# Altium PCB CT310高端控制盒核心板电路V1.3.PcbDoc (part 4 of 10)
Units mil, origin at the board's own origin, x right, y up, seen from the top; angles counter-clockwise.
Board outline 3735.76 x 4625 mil, 2 copper layers (TOP, BOTTOM), stack 10.4 mil thick; 198 components, 362 nets, 1085 pads, 352 vias.
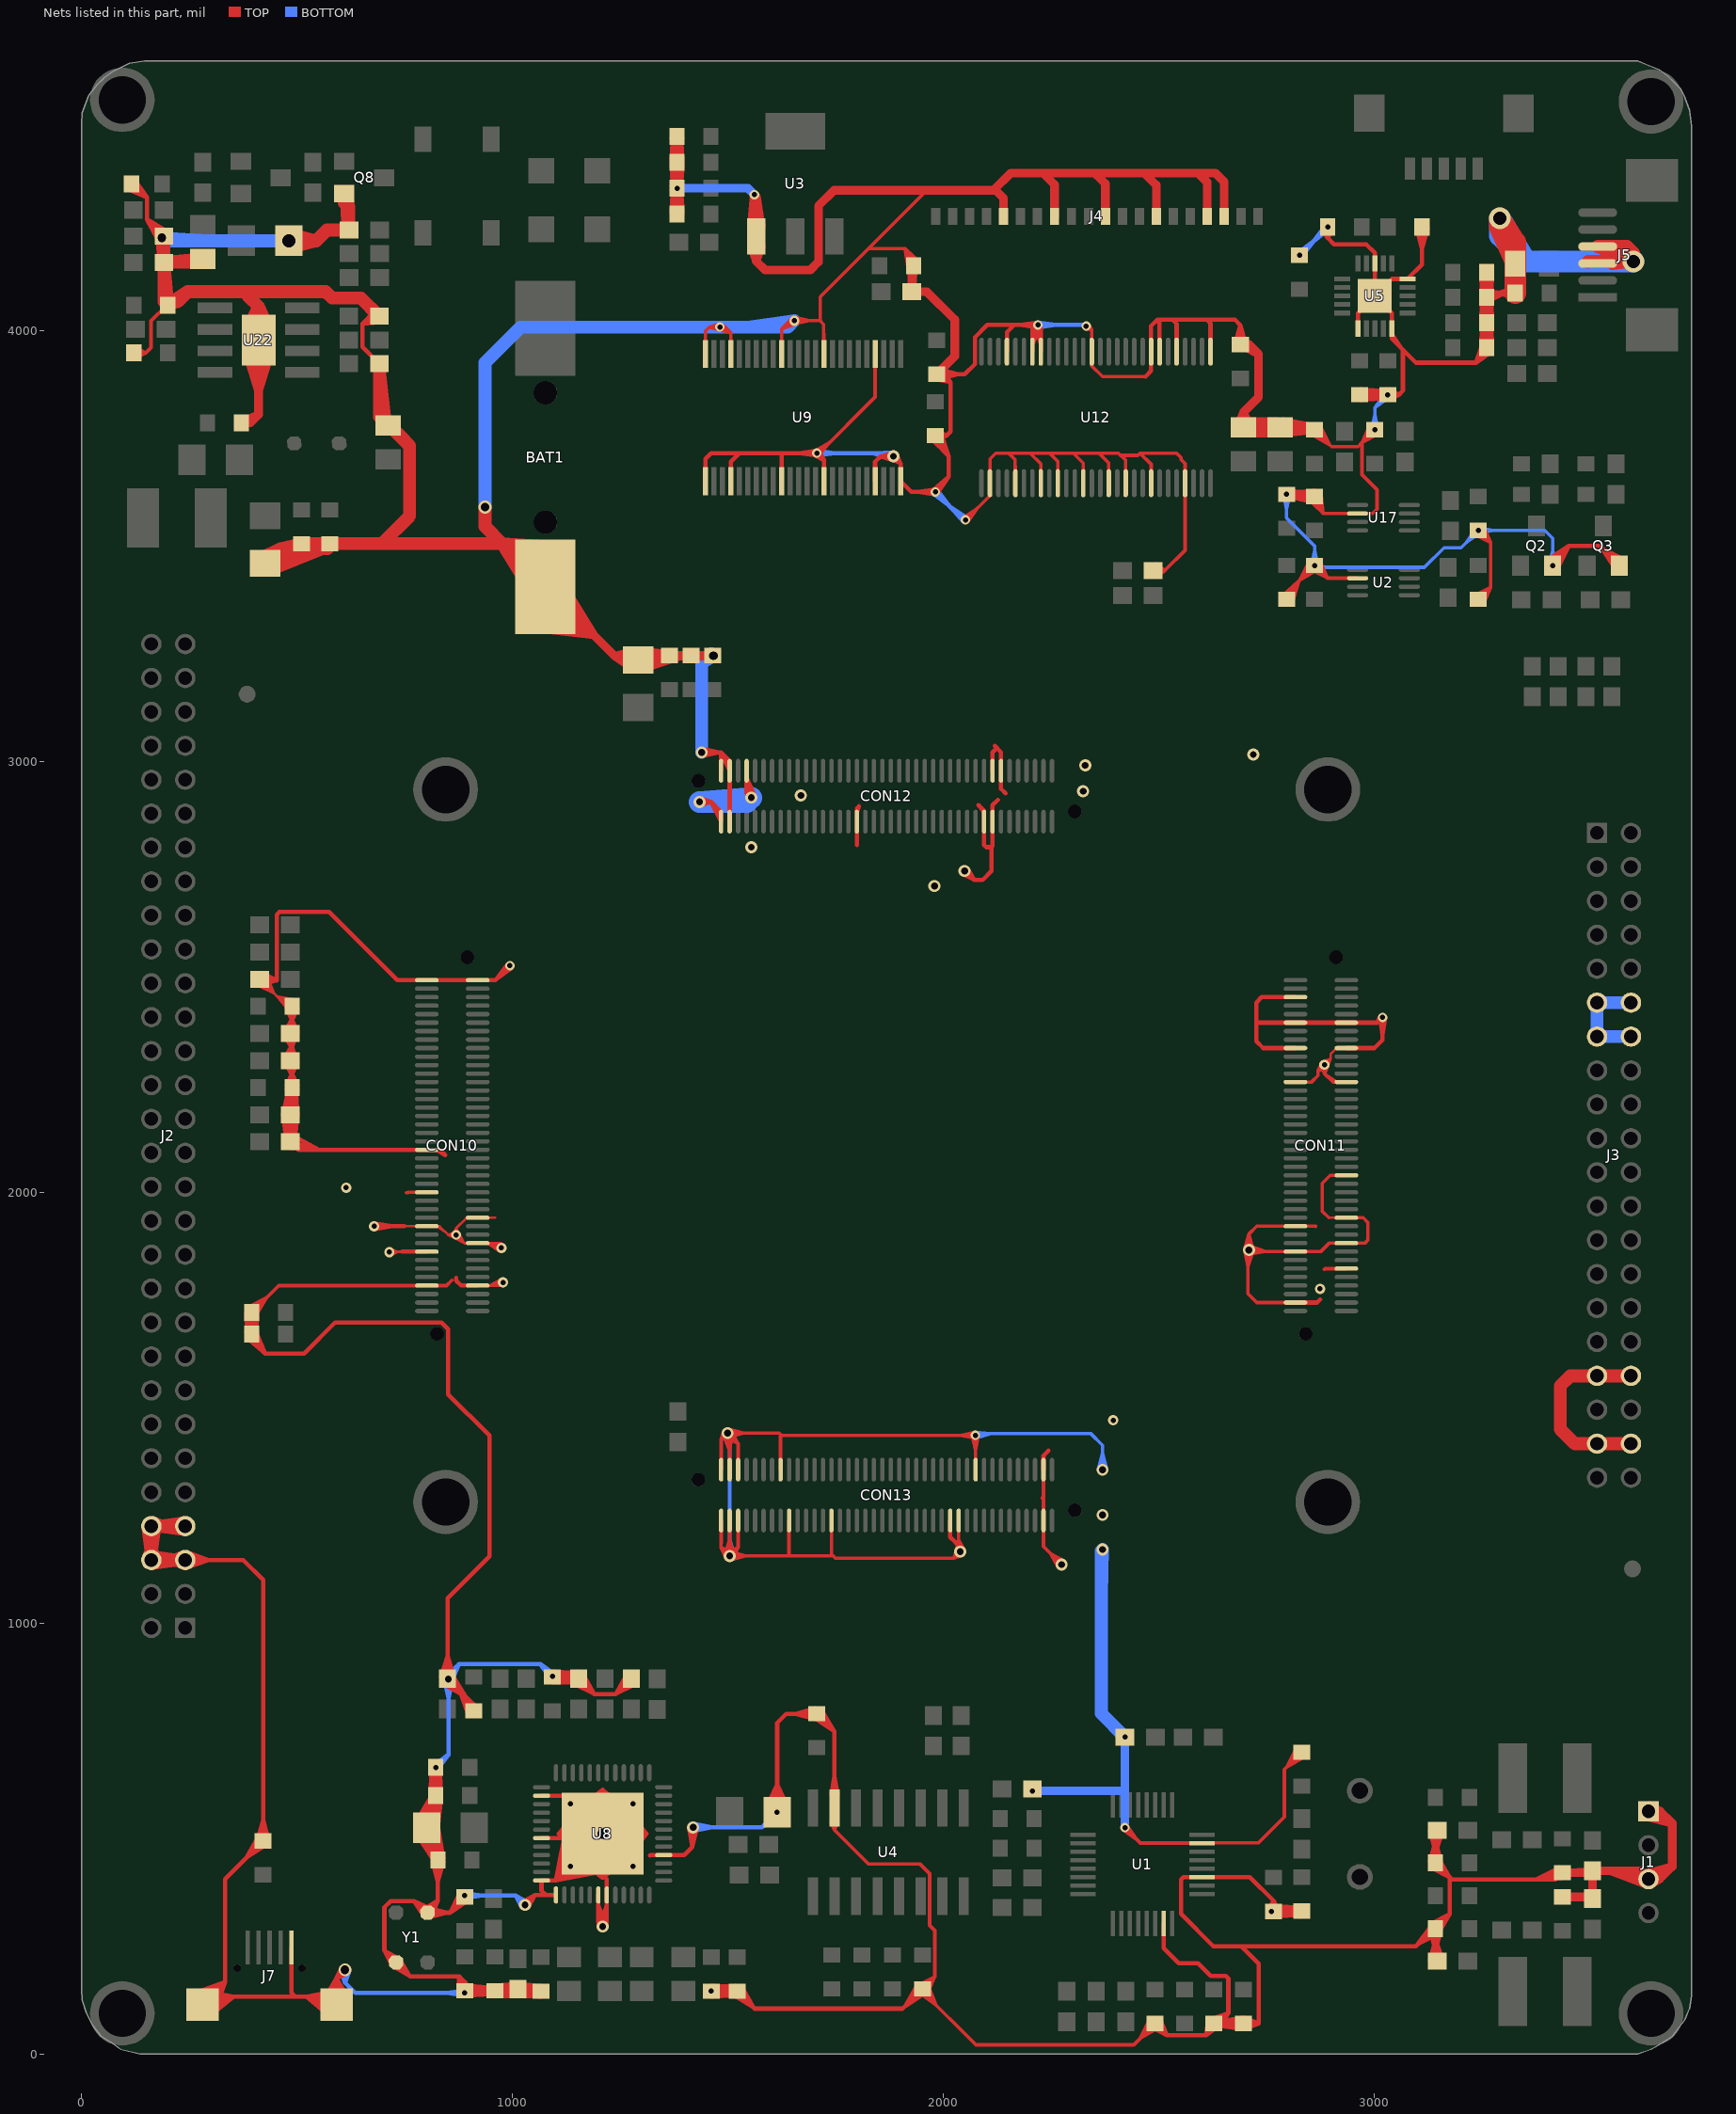
[diagram p4: the nets of this part, all layers, seen from the top]

## Via types
v1: diameter 22, hole 12, TOP to BOTTOM, tented both sides, 177 vias
v2: diameter 22, hole 12, TOP to BOTTOM, 89 vias
v3: diameter 28, hole 16, TOP to BOTTOM, 37 vias
v4: diameter 30, hole 20, TOP to BOTTOM, tented both sides, 26 vias
v5: diameter 24, hole 12, TOP to BOTTOM, 17 vias
v6: diameter 50, hole 30, TOP to BOTTOM, tented both sides, 5 vias
v7: diameter 40, hole 24, TOP to BOTTOM, 1 vias

## Nets (pads, with @x,y where several pads share a name; then routed paths per layer and width w, separated by ;. In a path a pad name is that pad's centre, name@x,y a point inside that pad or via, vN(x,y) a via of type N, cw(c..) or ccw(c..) an arc to the next point about the centre after c; other vN are vias at no path point) (continued)
GND: (continued)
  TOP w10: D3.2@108.78,4327.13 151.41,4308.97 ; D3.2@115.33,4338.03 151.41,4308.97 ; D3.2@123.69,4340 123.69,4336.69 151.41,4308.97 ; D3.2@124.59,4346.75 151.41,4308.97 ; J2.8@142.78,1225.38 150.53,1169.9 ; J2.8@142.84,1223.26 156.7,1170.84 ; J2.6@143.05,1149.35 161.39,1199.74 ; J2.8@143.05,1221.62 161.39,1171.24 ; J2.8@143.39,1220.08 166.08,1170.84 ; J2.8@143.98,1218.26 172.25,1169.9 ; J2.8@152.77,1224.92 156.7,1170.84 ; J2.6@152.8,1146.81 161.39,1199.74 ; J2.8@152.8,1224.16 161.39,1171.24 ; J2.8@152.83,1225.87 150.53,1169.9 ; J2.8@152.89,1223.43 166.08,1170.84 ; J2.8@153.09,1222.54 172.25,1169.9 ; J2.6@160.37,1137.56 216.35,1135.26 ; J2.6@160.37,1154.68 216.35,1156.98 ; J2.6@160.87,1127.5 216.35,1135.26 ; J2.6@160.87,1164.73 216.35,1156.98 ; J2.6@161.33,1137.5 215.4,1141.43 ; J2.6@161.33,1154.74 215.4,1150.81 ; J2.6@162.08,1137.52 215.01,1146.12 ; J2.6@162.08,1154.71 215.01,1146.12 ; J2.8@162.08,1216.26 215.01,1224.86 ; J2.8@162.08,1233.45 215.01,1224.86 ; J2.6@162.82,1137.61 215.4,1150.81 ; J2.6@162.82,1154.62 215.4,1141.43 ; J2.6@162.99,1127.56 215.4,1141.43 ; J2.6@162.99,1164.67 215.4,1150.81 ; J2.6@163.71,1137.81 216.35,1156.98 ; J2.6@163.71,1154.42 216.35,1135.26 ; J2.6@164.62,1127.78 215.01,1146.12 ; J2.6@164.62,1164.46 215.01,1146.12 ; J2.8@164.62,1206.52 215.01,1224.86 ; J2.8@164.62,1243.2 215.01,1224.86 ; J2.6@166.16,1128.12 215.4,1150.81 ; J2.6@166.16,1164.12 215.4,1141.43 ; J2.6@167.99,1128.7 216.35,1156.98 ; J2.6@167.99,1163.53 216.35,1135.26 ; J2.8@169.69,1222.54 150.53,1169.9 ; J2.8@169.89,1223.43 156.7,1170.84 ; J2.6@169.98,1146.81 161.39,1199.74 ; J2.8@169.98,1224.16 161.39,1171.24 ; J2.8@169.95,1225.87 172.25,1169.9 ; J2.8@170.01,1224.92 166.08,1170.84 ; R5.1@176.73,4210 151.41,4257.78 ; R5.1@177.39,4209.53 152.1,4257.37 ; R5.1@177.47,4209.41 153.21,4254.38 ; J2.8@178.8,1218.26 150.53,1169.9 ; J2.8@179.39,1220.08 156.7,1170.84 ; J2.6@179.73,1149.35 161.39,1199.74 ; J2.8@179.73,1221.62 161.39,1171.24 ; R5.1@179.85,4223.07 R5.1@197.83,4230.03 ; J2.8@179.94,1223.26 166.08,1170.84 ; J2.8@180,1225.38 172.25,1169.9 ; R5.1@188.65,4218.57 151.41,4257.78 ; R5.1@189.98,4219.22 151.41,4257.78 ; R5.1@192.81,4222.09 153.21,4254.38 ; R5.1@192.98,4221.92 152.1,4257.37 ; R5.1@194.91,4210.98 R5.1@197.83,4230.03 ; J2.7@233.53,1207.44 185.17,1235.72 ; J2.7@233.53,1242.27 185.17,1214 ; J2.7@235.36,1206.86 186.12,1229.55 ; J2.7@235.36,1242.86 186.12,1220.17 ; J2.5@236.9,1127.78 186.51,1146.12 ; J2.5@236.9,1164.46 186.51,1146.12 ; J2.7@236.9,1206.52 186.51,1224.86 ; J2.7@236.9,1243.2 186.51,1224.86 ; J2.7@237.81,1216.55 185.17,1235.72 ; J2.7@237.81,1233.16 185.17,1214 ; J2.7@238.53,1206.3 186.12,1220.17 ; J2.7@238.53,1243.41 186.12,1229.55 ; J2.7@238.7,1216.35 186.12,1229.55 ; J2.7@238.7,1233.36 186.12,1220.17 ; J2.5@239.44,1137.52 186.51,1146.12 ; J2.5@239.44,1154.71 186.51,1146.12 ; J2.7@239.44,1216.26 186.51,1224.86 ; J2.7@239.44,1233.45 186.51,1224.86 ; J2.7@240.19,1216.24 186.12,1220.17 ; J2.7@240.19,1233.48 186.12,1229.55 ; J2.7@240.65,1206.24 185.17,1214 ; J2.7@240.65,1243.47 185.17,1235.72 ; J2.5@240.82,1137.52 293.75,1146.12 ; J2.5@240.82,1154.71 293.75,1146.12 ; J2.7@241.15,1216.3 185.17,1214 ; J2.7@241.15,1233.42 185.17,1235.72 ; J2.5@243.36,1127.78 293.75,1146.12 ; J2.5@243.36,1164.46 293.75,1146.12 ; J7.7@262.93,141.83 332.39,166.6 ; J7.7@267,132.51 332.39,166.6 ; J7.7@272.25,123.92 332.39,166.6 ; J7.7@278.06,136.74 352.97,132.83 ; J7.7@278.21,126.68 352.97,132.83 ; J7.7@279.28,146.84 352.97,132.83 ; J7.7@284.27,102.72 352.97,132.83 ; J7.7@288.92,93.79 352.97,132.83 ; J7.7@289.72,106.45 332.39,166.6 ; J7.7@294.79,85.49 352.97,132.83 ; J7.7@298.31,101.2 332.39,166.6 ; J7.7@307.63,97.13 332.39,166.6 ; C112.2@384.89,1659.99 425.76,1625 ; C112.2@394.24,1668.6 425.76,1625 ; C112.2@394.24,1670.57 394.24,1656.52 425.76,1625 ; C112.2@405.36,1674.78 425.76,1625 ; C89.1@408.16,496.06 420.76,542.09 C89.1@433.36,496.06 ; C89.1@408.6,501.97 381.83,455.44 ; R174.1@413.18,2494.14 415.69,2491.63 452.39,2491.63 ; R174.1@415.15,2494.14 452.39,2491.63 ; R174.1@417.06,2479.58 452.39,2491.63 ; C89.1@418.79,494.37 381.83,455.44 ; R174.1@419,2508.31 452.39,2491.63 ; C89.1@426.91,484.58 381.83,455.44 ; R129.1@467.4,2180.03 R128.1@472.95,2129.94 ; R129.1@467.41,2180.25 C88.2@477.26,2229.15 ; R128.1@469.52,2118.74 484.05,2166.26 R128.1@498.57,2118.74 ; R129.1@469.52,2177.33 484.05,2129.81 R129.1@498.57,2177.33 ; R129.1@469.52,2181.67 484.05,2229.18 R129.1@498.57,2181.67 ; R129.1@471.54,2181.97 C88.2@487.06,2229.18 ; R129.1@472.12,2174.76 R128.1@495.15,2129.94 ; R129.1@472.32,2184.79 C88.2@497.2,2228.87 ; C88.2@475.28,2239.82 R129.1@484.05,2192.51 ; R128.1@483.52,2102.1 550.1,2098.06 ; C88.2@484.05,2238.49 R129.1@484.05,2179.5 R128.1@484.05,2116.57 502.56,2098.06 CON10.39@800.66,2098.06 831.13,2098.06 ; R128.1@486.02,2116.57 550.1,2098.06 ; 486.94,177.28 J7.5@486.94,212.2 ; J7.5@486.94,246.65 486.94,141.65 495.76,132.83 ; C88.2@487.98,2240.46 R129.1@484.05,2192.51 ; R128.1@491.62,2130.14 550.1,2098.06 ; R129.1@495.98,2174.76 R128.1@472.95,2129.94 ; R129.1@496.33,2183.05 C88.2@477.26,2229.15 ; C88.2@500.41,2237.75 R129.1@484.05,2192.51 ; R129.1@500.58,2181.36 C88.2@487.06,2229.18 ; R129.1@500.66,2178.37 C88.2@497.2,2228.87 ; R129.1@500.69,2180.03 R128.1@495.15,2129.94 ; J7.6@560.03,123.05 591.27,175.51 ; J7.6@569.25,118.56 591.27,175.51 ; J7.6@576.32,85.7 520.82,132.83 ; J7.6@578.93,115.71 591.27,175.51 ; J7.6@582.35,93.9 520.82,132.83 ; J7.6@587.13,102.76 520.82,132.83 ; J7.6@592.27,146.83 520.82,132.83 ; J7.6@593.37,126.67 520.82,132.83 ; J7.6@593.53,136.74 520.82,132.83 ; v4@602.52,200.67 591.27,175.51 ; J7.6@603.61,115.71 591.27,175.51 ; v4(610.76,195) 591.27,175.51 ; J7.6@613.29,118.56 591.27,175.51 ; v4@616.43,186.76 591.27,175.51 ; J7.6@622.51,123.05 591.27,175.51 ; v5@679.15,1927.55 720.62,1920.88 ; v5@679.25,1913.6 720.62,1920.88 ; R135.2@680.21,4044.87 651.41,4015.65 ; R135.2@690.04,4032.85 668.61,4032.85 ; R133.2@690.62,3922.85 690.14,3922.85 651.41,3961.59 651.41,4015.65 ; R135.2@692.33,4018.64 651.41,4015.65 ; Y1.4@719.83,205.43 702.16,239.38 ; Y1.4@722.1,203.1 761.54,180 ; Y1.4@736.11,221.71 702.16,239.38 ; Y1.4@738.44,219.44 761.54,180 ; 743.16,2098.06 CON10.39@778.16,2098.06 ; 743.16,2491.75 CON10.79@778.16,2491.75 ; 748.92,1920.88 678.92,1920.88 v5(678.61,1920.57) 720.62,1920.88 ; C27.2@775.54,537.43 C26.2@809.02,595.06 ; C27.2@776.1,511.07 C31.2@813.79,453.68 ; C27.2@777.1,541.09 C26.2@821.39,598.03 ; C27.2@777.96,507.36 C31.2@826.39,452.84 ; C27.2@777.94,507.4 C31.2@826.39,452.57 ; C27.2@778.17,542.97 C26.2@826.39,595.2 ; CON10.15@778.16,1861.83 743.61,1861.83 CON10.15@800.66,1861.83 ; C27.2@779.61,545.05 C26.2@833.43,593.49 ; C27.2@780.73,503.58 C31.2@837.52,458.99 ; C27.2@784.66,533.02 C26.2@809.02,595.06 ; C27.2@784.95,515.98 C31.2@813.79,453.68 ; C27.2@785.49,535.46 C26.2@821.39,598.03 ; C27.2@786.06,536.66 C26.2@826.39,595.2 ; C27.2@786.88,538.03 C26.2@833.43,593.49 ; C27.2@787.52,511.07 C31.2@837.52,458.99 ; Y1.2@793.58,319.95 770.5,354.74 ; C27.2@794.24,530.07 C26.2@809.02,595.06 ; C27.2@794.33,519.52 C31.2@813.79,453.68 ; C27.2@794.51,531.08 C26.2@821.39,598.03 ; Y1.2@794.63,336.45 826.39,356.5 ; C27.2@794.7,531.56 C26.2@826.39,595.2 ; C27.2@794.99,532.14 C26.2@833.43,593.49 ; C27.2@795.21,517.5 C31.2@837.52,458.99 ; C27.2@800.64,525 C27.2@826.39,499.25 ; Y1.2@803.75,316.12 848.97,327.68 Y1.2@803.75,339.24 ; C27.2@806.37,524.13 C31.2@837.52,458.99 ; C27.2@806.56,526.26 C26.2@833.43,593.49 ; C27.2@806.8,526.86 C26.2@826.39,595.2 ; C27.2@806.94,527.35 C26.2@821.39,598.03 ; C27.2@807.07,522 C31.2@813.79,453.68 ; C27.2@807.12,528.44 C26.2@809.02,595.06 ; Y1.2@808.54,337.52 770.5,354.74 ; C26.2@808.7,601.2 C32.2@811.97,652.37 ; C26.2@808.82,603.9 C32.2@822.58,651.56 ; C26.2@809.03,604.94 C32.2@826.39,649.97 ; C26.2@809.45,606.34 C32.2@831.96,649.34 ; Y1.2@812.29,321.69 826.39,356.5 ; C31.2@813.79,446.34 826.39,400.31 ; C32.2@815.42,665.59 814.14,622.32 ; C32.2@815.42,665.64 C26.2@813.03,615.33 ; C32.2@815.48,663.98 825.41,624.14 ; C32.2@815.49,663.88 826.39,622.44 ; C32.2@815.51,666.18 810.17,624.19 ; C32.2@815.55,663.62 C26.2@831.11,611.02 ; C32.2@815.59,663.47 829.06,624.27 ; C32.2@815.65,663.26 830.5,624.61 ; C27.2@815.69,527.81 C31.2@837.52,458.99 ; C27.2@816.11,523.19 C26.2@833.43,593.49 ; C27.2@816.61,524.79 C26.2@826.39,595.2 ; C27.2@816.88,526.03 C26.2@821.39,598.03 ; C27.2@817.09,522.25 C31.2@813.79,453.68 ; C27.2@817.14,528.9 C26.2@809.02,595.06 ; C32.2@817.97,669.93 C32.2@809.02,660.08 ; C32.2@821.39,663.03 C26.2@826.39,614.7 ; C32.2@821.71,659.01 C32.2@834.1,662.67 ; C32.2@822.29,659.07 C32.2@809.02,660.08 ; CON10.79@823.16,2491.75 858.16,2491.75 ; C32.2@823.81,670.49 C32.2@834.1,662.67 ; C27.2@825.52,530.19 C31.2@837.52,458.99 ; C27.2@826.06,521.46 C26.2@833.43,593.49 ; C31.2@826.39,448.03 826.39,400.31 ; C31.2@826.39,451.97 C27.2@826.39,499.25 ; C27.2@826.39,525 826.39,660 v1(821.39,665) ; C27.2@826.69,524.11 C26.2@826.39,595.2 ; C27.2@826.99,526.11 C26.2@821.39,598.03 ; C27.2@827.07,530.9 C26.2@809.02,595.06 ; C32.2@827.05,663 810.17,624.19 ; C27.2@827.14,521.02 C31.2@813.79,453.68 ; C32.2@827.22,663.59 814.14,622.32 ; C32.2@827.24,663.65 C26.2@813.03,615.33 ; C32.2@827.32,665.89 830.5,624.61 ; C32.2@827.38,665.28 826.39,622.44 ; C32.2@827.35,665.68 829.06,624.27 ; C32.2@827.34,665.74 C26.2@831.11,611.02 ; C32.2@827.39,665.15 825.41,624.14 ; C26.2@833.5,605.84 C32.2@811.97,652.37 ; C26.2@834.06,600.85 C32.2@831.96,649.34 ; C26.2@834.04,603.3 C32.2@822.58,651.56 ; C26.2@834.1,597.67 C27.2@826.39,549.97 ; C26.2@834.1,602.33 C32.2@826.39,649.97 ; C31.2@838.99,446.34 826.39,400.31 ; C31.2@838.99,453.68 C27.2@826.39,499.25 ; R44.1@839.96,857.17 889.51,830.11 ; R44.1@841.77,870.4 848.61,922.66 ; R44.1@841.78,870.65 849.78,918.84 ; R44.1@844.76,863.29 887.23,831.35 ; R44.1@844.87,863.2 885.15,834.26 ; R44.1@844.89,863.18 885.27,834.35 ; R44.1@844.98,863.1 887.54,833.33 ; R44.1@845.98,862.38 R44.1@834.09,875.14 ; R44.1@848.61,869.04 889.51,830.11 ; R44.1@848.61,872.97 848.61,922.66 ; R44.1@851.11,878.99 R44.1@834.09,875.14 ; R44.1@857.64,875.8 887.54,833.33 ; R44.1@857.81,875.6 887.23,831.35 ; R44.1@859.7,871.01 849.78,918.84 ; R44.1@859.69,871.13 848.61,922.66 ; R44.1@860.04,878.27 889.51,830.11 ; 861.27,2491.75 CON10.80@896.27,2491.75 ; R44.1@863.14,875.14 848.61,922.66 ; 868.61,1800.57 868.61,1794.76 880.27,1783.1 ; C37.2@883.75,370.66 857.93,329.76 ; C37.2@883.76,370.68 859.77,332.59 ; C37.2@883.8,370.72 859.74,333.32 ; C37.2@883.9,370.86 856.8,331.69 ; C37.2@884.03,363.27 C37.2@895.08,354.86 ; C36.2@884.93,145.93 C36.2@897.86,152.2 ; C37.2@885.47,362.04 C37.2@876.03,371.37 ; C36.2@886.13,135.74 C36.2@874.04,144.53 ; C36.2@886.65,146.2 875.76,180 ; C37.2@886.65,364.37 854.85,327.68 ; C36.2@887.39,147.07 929.3,152.77 ; C36.2@887.66,147.12 931.93,151.23 ; C36.2@888.5,135.2 931.74,137.35 ; C37.2@888.61,361.44 854.85,327.68 ; C36.2@888.78,135.2 930.69,139.39 ; C36.2@888.75,147.2 C36.2@874.04,144.53 ; C37.2@889.19,373.12 C37.2@876.03,371.37 ; C36.2@889.3,147.16 930.69,139.39 ; C36.2@889.56,147.13 931.74,137.35 ; C36.2@890.1,133.49 938.84,138.01 ; C36.2@890.1,158.91 938.84,154.39 ; C36.2@890.36,135.46 931.93,151.23 ; C36.2@890.66,135.56 929.3,152.77 ; C37.2@892.82,362.87 856.8,331.69 ; C37.2@892.9,362.95 859.74,333.32 ; C37.2@892.95,363 859.77,332.59 ; C37.2@893.01,363.06 857.93,329.76 ; C36.2@893.91,138.39 C36.2@897.86,152.2 ; C36.2@894.32,134.05 938.84,154.39 ; C36.2@894.32,158.36 938.84,138.01 ; C37.2@894.4,368.73 C37.2@895.08,354.86 ; C33.2@896.19,790.47 877,842.62 ; CON10.8@896.27,1783.1 880.27,1783.1 ; C33.2@905.76,796.2 905.76,813.86 R44.1@848.61,871 848.61,1057.85 945.76,1155 945.76,1435 850.29,1530.47 850.29,1681.65 835.06,1696.88 587.64,1696.88 515.76,1625 425.76,1625 ; C33.2@907.54,796.2 877,842.62 ; C33.2@917.29,804.36 877,842.62 ; CON10.8@918.77,1783.1 880.27,1783.1 ; CON10.80@941.27,2491.75 959.79,2491.75 ; C29.1@954.95,133.6 908.93,146.2 ; C29.1@954.95,158.8 908.93,146.2 ; C29.1@956.65,146.2 908.93,146.2 ; C29.1@958.15,158.68 R33.2@1006.89,161.71 ; C29.1@959.12,133.57 R33.2@1007.48,134.39 ; C29.1@961.8,158.86 R33.2@1008.28,148.02 ; C29.1@962.28,133.6 R33.2@1008.25,146.2 ; C29.1@962.28,158.8 R33.2@1008.25,146.2 ; C29.1@962.75,133.67 R33.2@1008.28,148.02 ; C29.1@965.28,158.02 R33.2@1007.48,134.39 ; C29.1@966.16,134.77 R33.2@1006.89,161.71 ; v2@989.1,2529.53 961.4,2493.36 v2@997.57,2521.06 ; v2(993.61,2525.57) 959.79,2491.75 ; R33.2@1009.46,162.6 C29.1@962.31,146.2 ; R33.2@1010.6,133.57 C29.1@962.31,146.2 ; R33.2@1012.19,146.2 1065.19,146.2 C38.2@1065.76,145.63 ; R33.2@1012.19,150.14 R33.2@1008.25,146.2 ; R33.2@1013.77,133.57 C38.2@1062.03,146.2 ; R33.2@1014.92,162.6 C38.2@1062.03,146.2 ; v3@1023.18,352.75 1051.88,368.84 ; v3(1028.61,345.57) 1051.88,368.84 ; v3@1035.79,340.14 1051.88,368.84 ; C38.2@1058.09,134.26 R33.2@1017.6,161.67 ; C38.2@1059.23,157.5 R33.2@1016.79,134.36 ; C38.2@1061.47,133.13 R33.2@1016.11,148.01 ; C38.2@1061.95,133.05 R33.2@1016.07,146.2 ; C38.2@1062.25,158.25 R33.2@1016.07,146.2 ; C38.2@1062.73,158.3 R33.2@1016.11,148.01 ; C38.2@1065.1,132.98 R33.2@1016.79,134.36 ; C38.2@1066.36,158.08 R33.2@1017.6,161.67 ; U8.43@1066.88,500.73 1198.77,500.73 v2(1133.61,435.57) ; U8.38@1066.88,599.15 U8.49@1120.03,599.15 ; U8.48@1081.88,402.3 1100.35,402.3 ; U8.43@1081.88,500.73 U8.49@1116.88,500.73 ; U8.38@1081.88,599.15 U8.49@1116.88,599.15 ; C35.1@1086.34,875.09 C35.1@1092.33,862.36 ; C35.1@1086.57,878.53 C35.1@1093.18,887.62 ; C35.1@1086.75,873.9 C35.1@1095.45,862.29 ; C35.1@1086.82,873.75 C35.1@1095.85,862.34 ; C35.1@1087.16,879.7 C35.1@1095.85,887.54 ; C35.1@1087.27,879.86 C35.1@1096.25,887.48 ; C35.1@1087.36,872.86 C35.1@1098.4,862.95 ; C35.1@1090.57,870.65 1133.15,861.81 ; C35.1@1090.86,870.58 1131.9,864.33 ; C35.1@1090.89,870.57 R45.2@1139.16,862.95 ; C35.1@1090.94,870.56 1132.28,864.82 ; C35.1@1092.24,870.43 1133.14,873.76 ; C35.1@1093.59,870.59 1132.94,883.15 ; C35.1@1094.19,882.08 R45.2@1139.16,862.95 ; C35.1@1094.26,882.06 1132.28,864.82 ; C35.1@1094.34,882.03 1131.9,864.33 ; C35.1@1094.59,881.93 1133.15,861.81 ; C35.1@1098.03,877.79 C35.1@1098.4,862.95 ; C35.1@1098.06,875.21 C35.1@1092.33,862.36 ; C35.1@1098.09,877.51 C35.1@1093.18,887.62 ; C35.1@1098.16,875.86 C35.1@1096.25,887.48 ; C35.1@1098.18,876.07 C35.1@1095.85,887.54 ; C35.1@1098.18,876.71 C35.1@1095.85,862.34 ; C35.1@1098.19,876.54 C35.1@1095.45,862.29 ; C35.1@1099.16,886.63 R45.2@1141.26,861.7 ; U8.1@1100.35,368.84 1076.88,368.84 ; U8.49@1127.79,437.01 U8.49@1144.4,491.81 ; U8.49@1127.96,437.57 U8.49@1147.51,484.04 ; U8.49@1128.23,438.21 U8.49@1151.38,478.66 ; U8.49@1128.35,577.69 U8.49@1120.03,599.15 ; U8.49@1128.61,438.88 U8.49@1155.82,474.57 ; U8.49@1129.08,552.7 1100.35,402.3 ; U8.49@1130.02,575.76 U8.49@1168.17,551.01 ; U8.49@1130.31,440.58 U8.49@1169.11,462.62 ; U8.49@1131,440.97 U8.49@1172.61,457.78 ; U8.49@1131.69,441.25 U8.49@1176.7,453.34 ; U8.49@1132.31,441.43 U8.49@1182.08,449.47 ; U8.49@1132.79,441.51 U8.49@1189.86,446.36 ; U8.49@1135.05,429.75 U8.49@1189.86,446.36 ; U8.49@1135.61,429.91 U8.49@1182.08,449.47 ; U8.49@1136.25,430.18 U8.49@1176.7,453.34 ; U8.49@1136.92,430.57 U8.49@1172.61,457.78 ; U8.49@1137.81,584.86 U8.49@1168.17,551.01 ; U8.49@1137.96,584.71 U8.49@1120.03,599.15 ; U8.49@1138.62,432.26 U8.49@1160.67,471.07 ; U8.49@1139.01,432.96 U8.49@1155.82,474.57 ; U8.49@1139.23,550.4 1100.35,402.3 ; U8.49@1139.3,433.65 U8.49@1151.38,478.66 ; U8.49@1139.47,434.26 U8.49@1147.51,484.04 ; U8.49@1139.56,434.75 U8.49@1144.4,491.81 ; R45.2@1144.68,856.99 1189.08,835 ; U8.49@1149.11,547.44 1100.35,402.3 ; R45.2@1150.35,858.54 C35.1@1103.17,874.94 ; R45.2@1151.5,887.57 C35.1@1103.17,874.94 ; R45.2@1153.08,869.04 1189.08,835 ; R45.2@1153.08,872.97 C35.1@1103.17,874.94 ; U8.49@1158.7,543.86 1100.35,402.3 ; R45.2@1164.64,878.09 1189.08,835 ; U8.49@1167.96,539.68 1100.35,402.3 ; U8.49@1176.88,534.92 1100.35,402.3 ; U8.49@1185.42,529.6 1100.35,402.3 ; U8.49@1193.58,523.76 1100.35,402.3 ; U8.49@1195.39,517.64 U8.49@1171.39,456.83 ; U8.49@1195.9,518.53 U8.49@1170.58,463.91 ; U8.49@1196.73,501.42 U8.49@1167.4,551.78 ; U8.49@1197.76,520.93 U8.49@1161.95,472.53 ; U8.49@1198.71,521.84 U8.49@1154.88,473.34 ; 1198.77,318.84 U8.6@1198.77,353.84 ; U8.6@1198.77,368.84 1198.77,305.41 v3(1208.61,295.57) ; v3@1199.67,294.6 1198.77,344.4 ; v3@1199.99,298.14 1218.46,344.4 ; U8.49@1201.32,517.41 1100.35,402.3 ; U8.49@1203.85,524.8 U8.49@1155.56,500.73 ; U8.49@1209.27,495.59 U8.49@1155.56,500.73 ; U8.49@1215.45,503.27 1100.35,402.3 ; U8.49@1215.69,497.34 U8.49@1154.88,473.34 ; U8.49@1216.57,497.85 U8.49@1161.95,472.53 ; v3@1217.24,298.14 1198.77,344.4 ; v3@1217.56,294.6 1218.46,344.4 ; U8.49@1217.77,522.45 U8.49@1167.4,551.78 ; 1218.46,318.84 U8.7@1218.46,353.84 ; U8.7@1218.46,383.84 1218.46,405.41 U8.7@1218.46,368.84 1218.46,305.41 v3(1208.61,295.57) ; U8.49@1218.97,499.72 U8.49@1170.58,463.91 ; U8.49@1219.88,500.67 U8.49@1171.39,456.83 ; U8.49@1221.8,495.54 1100.35,402.3 ; U8.49@1227.65,487.38 1100.35,402.3 ; U8.49@1232.96,478.83 1100.35,402.3 ; U8.49@1237.72,469.92 1100.35,402.3 ; U8.49@1241.91,460.65 1100.35,402.3 ; U8.49@1245.49,451.07 1100.35,402.3 ; U8.49@1248.44,441.19 1100.35,402.3 ; U8.49@1250.74,431.04 1100.35,402.3 ; R42.1@1263.31,878.09 1238.86,835 ; R42.1@1274.87,869.04 1238.86,835 ; R42.1@1274.87,871 1238.86,835 ; R42.1@1283.26,856.99 1238.86,835 ; 1318.61,460.57 1319.4,461.36 ; U8.16@1335.35,461.36 1319.4,461.36 ; U8.16@1365.35,461.36 1398.48,461.36 ; C41.1@1368.73,4270.82 C44.1@1370.73,4319.24 ; C42.1@1368.73,4389.18 C44.1@1370.73,4340.76 ; C42.1@1368.73,4390.82 C43.1@1370.73,4439.24 ; C43.1@1368.79,4446.34 C42.1@1381.39,4400.31 ; C41.1@1369.46,4276.37 C44.1@1392.05,4319.24 ; C42.1@1369.46,4383.63 C44.1@1392.05,4340.76 ; C42.1@1369.46,4396.37 C43.1@1392.05,4439.24 ; C44.1@1375.46,4329.07 C42.1@1370.2,4382.23 ; C44.1@1375.46,4330.93 C41.1@1370.2,4277.77 ; C44.1@1375.53,4328.73 C42.1@1369.48,4370.89 ; C44.1@1375.53,4331.27 C41.1@1369.48,4289.11 ; C44.1@1375.76,4327.92 C41.1@1393.3,4289.11 ; C44.1@1375.76,4332.08 C42.1@1393.3,4370.89 ; C44.1@1378.44,4324.77 C44.1@1368.79,4333.66 ; C44.1@1378.44,4335.23 C44.1@1368.79,4326.34 ; C44.1@1381.08,4324.01 C44.1@1393.99,4326.34 ; C44.1@1381.08,4335.99 C44.1@1393.99,4333.66 ; C41.1@1381.39,4270 v1(1381.39,4330) ; C44.1@1381.39,4328.03 C41.1@1381.39,4280.31 ; C44.1@1381.39,4331.97 C42.1@1381.39,4379.69 ; C43.1@1381.39,4448.03 C42.1@1381.39,4400.31 ; C43.1@1381.39,4450 C42.1@1381.39,4390 v1(1381.39,4330) ; C44.1@1381.7,4324.01 C44.1@1368.79,4326.34 ; C44.1@1381.7,4335.99 C44.1@1368.79,4333.66 ; C44.1@1384.34,4324.77 C44.1@1393.99,4333.66 ; C44.1@1384.34,4335.23 C44.1@1393.99,4326.34 ; C44.1@1387.02,4327.92 C41.1@1369.48,4289.11 ; C44.1@1387.02,4332.08 C42.1@1369.48,4370.89 ; C44.1@1387.25,4328.73 C42.1@1393.3,4370.89 ; C44.1@1387.25,4331.27 C41.1@1393.3,4289.11 ; C44.1@1387.32,4329.07 C42.1@1392.58,4382.23 ; C44.1@1387.32,4330.93 C41.1@1392.58,4277.77 ; C41.1@1393.32,4276.37 C44.1@1370.73,4319.24 ; C42.1@1393.32,4383.63 C44.1@1370.73,4340.76 ; C42.1@1393.32,4396.37 C43.1@1370.73,4439.24 ; C43.1@1393.99,4446.34 C42.1@1381.39,4400.31 ; C41.1@1394.05,4270.82 C44.1@1392.05,4319.24 ; C42.1@1394.05,4389.18 C44.1@1392.05,4340.76 ; C42.1@1394.05,4390.82 C43.1@1392.05,4439.24 ; v3@1409.63,524.96 1417.12,481.53 ; v3@1427.53,524.35 1417.12,481.53 ; v3(1433.61,2905.57) 1460.52,2905.57 ; v3@1435.12,2896.7 1460.52,2905.57 ; v3@1435.12,2914.44 1460.52,2905.57 ; v3(1438.61,3020.57) 1478.61,3020.57 ; v3@1439.63,3011.63 1478.61,3020.57 ; v3@1439.63,3029.51 1478.61,3020.57 ; U9.25@1447.23,3650 1447.23,3701.47 ; U9.25@1447.23,3676.5 1447.23,3701.47 ; C28.1@1455.03,143.84 C28.1@1461.58,132.97 ; C28.1@1455.03,147.42 C28.1@1461.58,158.29 ; C28.1@1456.23,141.7 C28.1@1467.13,133.7 ; C28.1@1456.23,149.56 C28.1@1467.13,157.56 ; C28.1@1459.93,139.69 C39.2@1501.11,136.98 ; C28.1@1459.93,151.57 C39.2@1501.11,154.28 ; C28.1@1459.97,139.68 C39.2@1502.47,137.03 ; C28.1@1459.97,151.58 C39.2@1502.47,154.23 ; C28.1@1462.44,139.87 C39.2@1501.11,154.28 ; C28.1@1462.44,151.39 C39.2@1501.11,136.98 ; C28.1@1466.55,144.05 